# Altium PCB PCBA.PcbDoc (part 2 of 2)
Units mil, origin at the board's own origin, x right, y up, seen from the top; angles counter-clockwise.
Board outline 3402.68 x 3500 mil, 4 copper layers (Top Layer, Mid Layer 1, Mid Layer 2, Bottom Layer), stack 77.559 mil thick; 213 components, 129 nets, 610 pads, 352 vias.
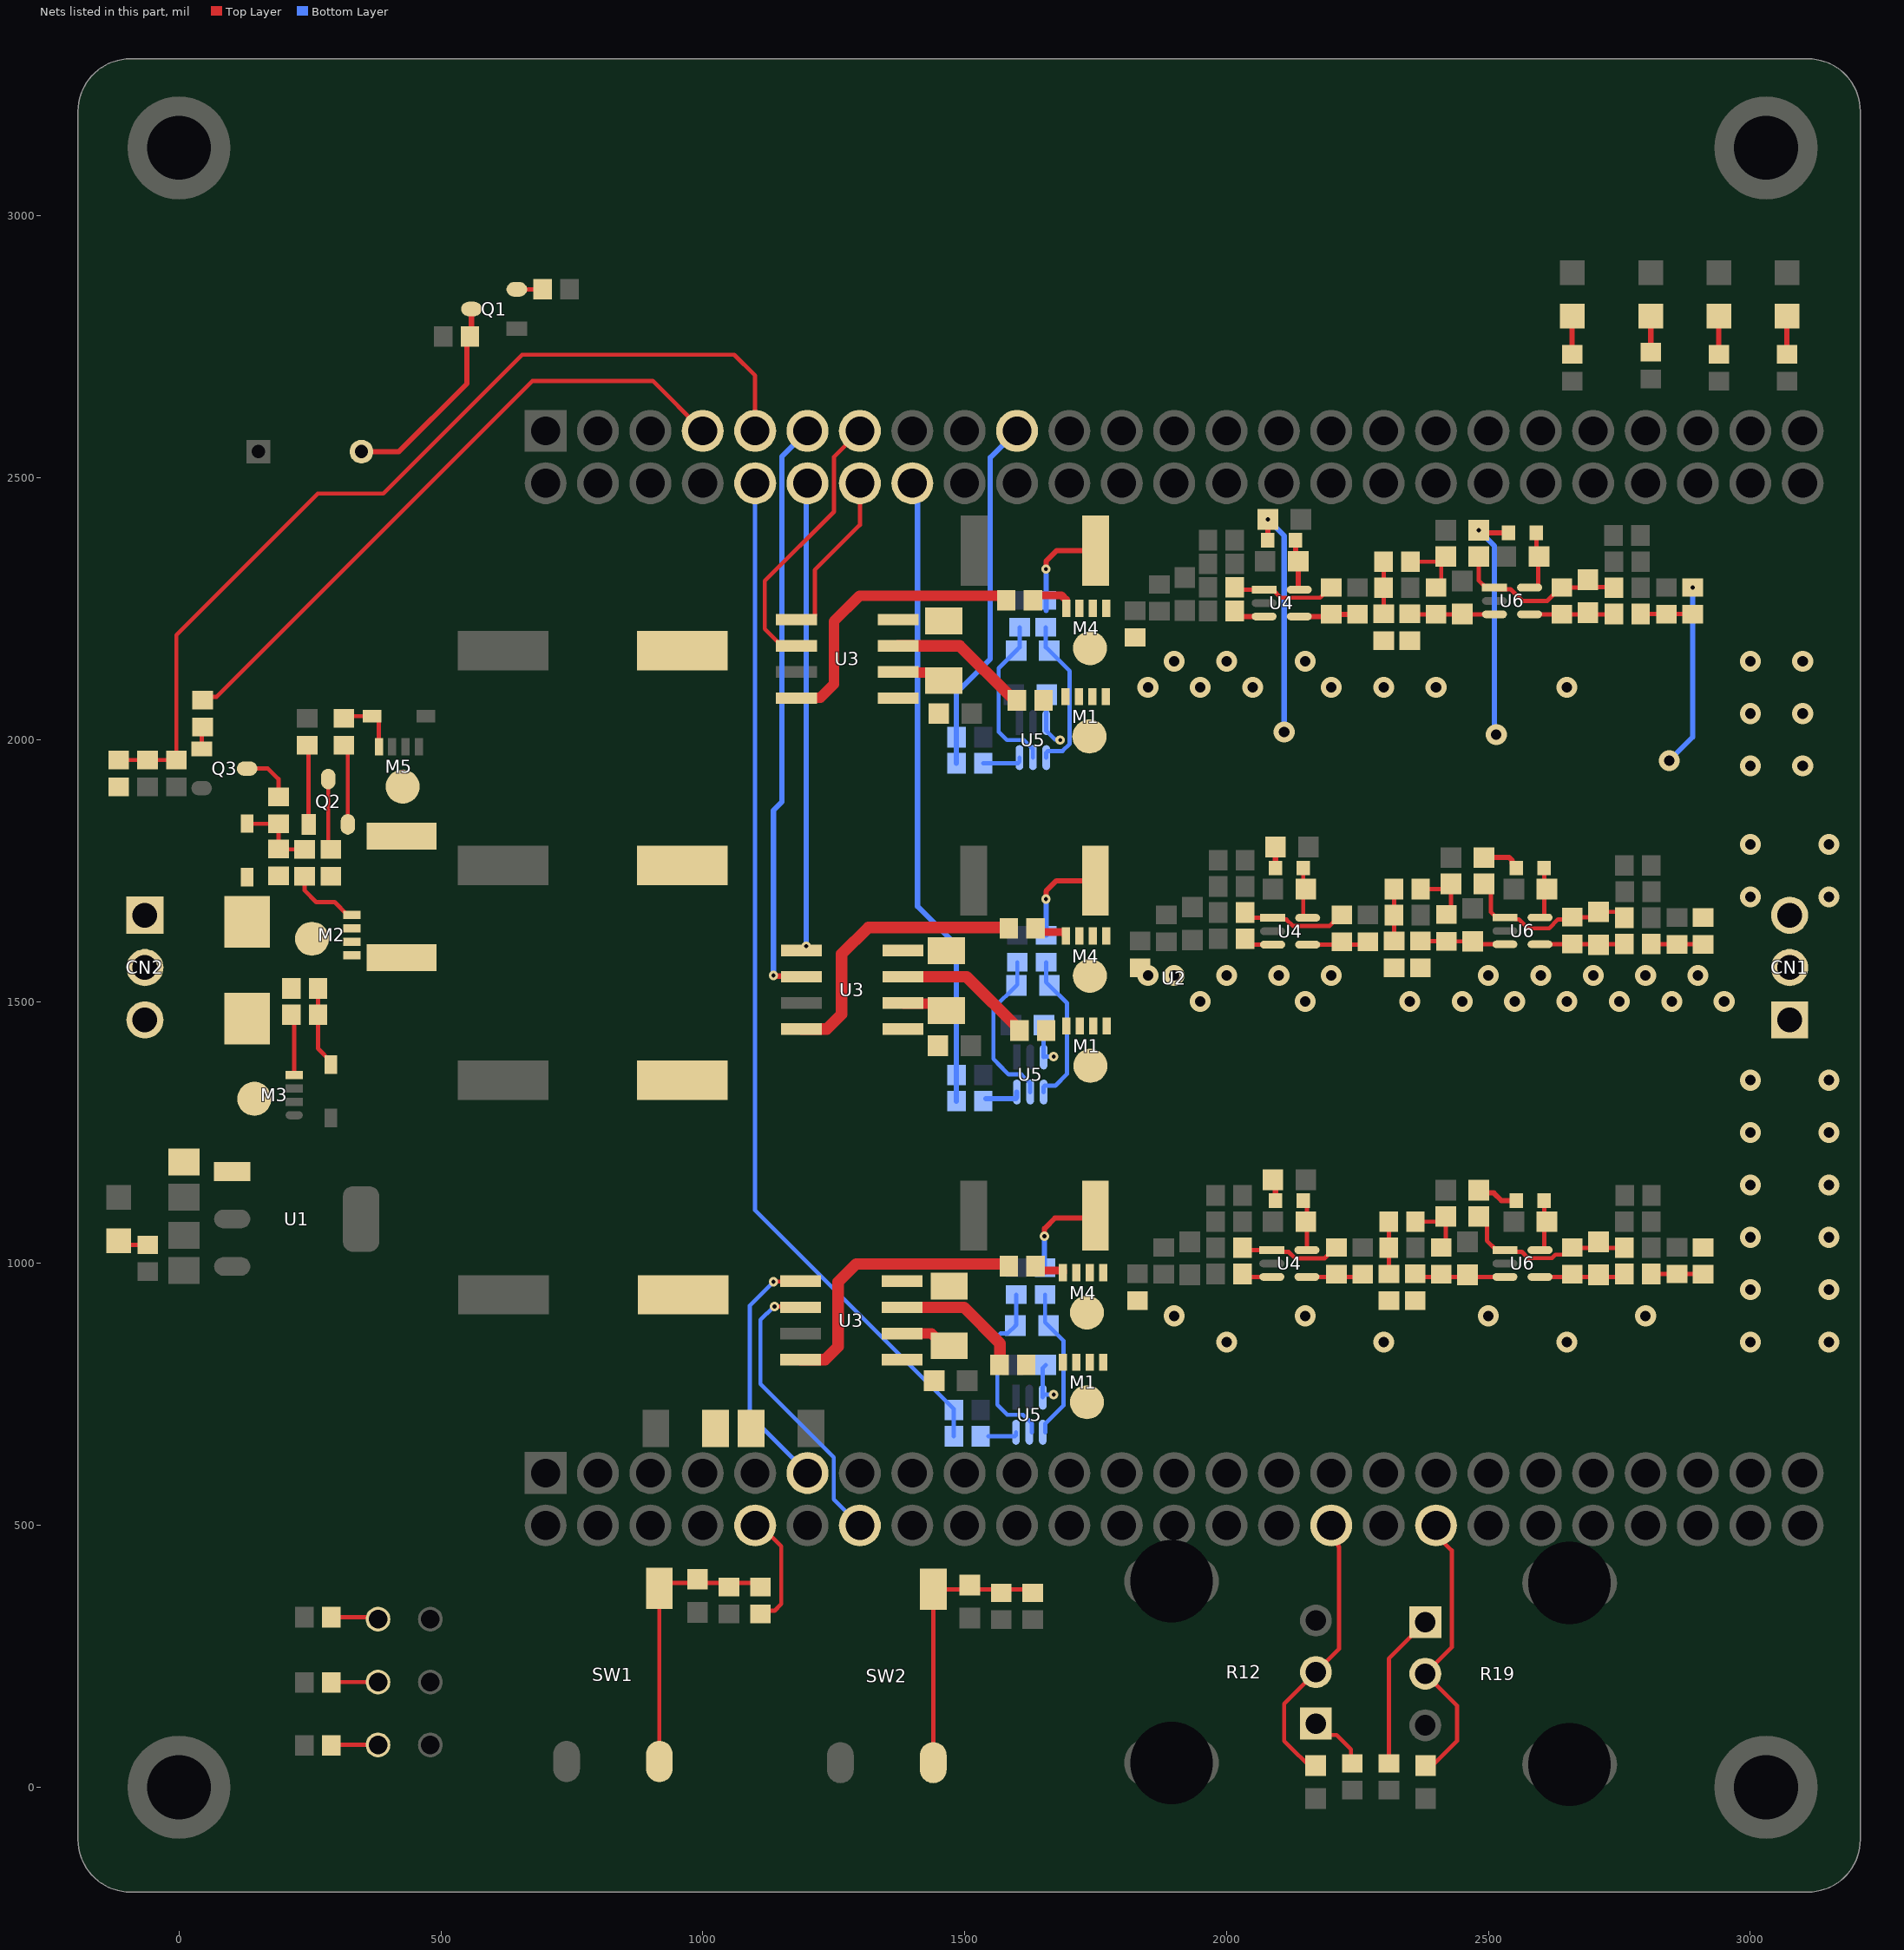
[diagram p4: the nets of this part, all layers, seen from the top]

## Via types
v1: diameter 40, hole 20, Top Layer to Bottom Layer, tented both sides, 248 vias
v2: diameter 18, hole 8, Top Layer to Bottom Layer, tented both sides, 104 vias

## Nets (pads, with @x,y where several pads share a name; then routed paths per layer and width w, separated by ;. In a path a pad name is that pad's centre, name@x,y a point inside that pad or via, vN(x,y) a via of type N, cw(c..) or ccw(c..) an arc to the next point about the centre after c; other vN are vias at no path point) (continued)
Motor: C1.1 C3.1 C4.1 C5.1 C6.1 C11.2 C12.2 C15.2 C17.1 C23.1 FB1.1 FB2.1 M1.5 M2.1 M2.2 M2.3 R3.2 R21.2 R63.1 U3.1 U5.3 | length 1776.3
  Top Layer w10: FB2.1@2078.67,2380.87 v2(2078.67,2420.79) C23.1@2078.75,2420.87 ; C23.1@2088.5,1160 2093.43,1155.08 FB2.1@2093.43,1120 ; FB2.1@2093.43,1755 2093.43,1794.92 C23.1@2093.5,1795 ; C1.1@2481.5,1140 2486.82,1134.68 2510.32,1134.68 2525,1120 FB1.1@2553.43,1120 ; v2(2481.5,2400) 2486.5,2395 FB1.1@2538.43,2395 ; C1.1@2491.5,1775 2539.77,1775 2545.63,1769.14 2545.63,1762.8 FB1.1@2553.43,1755
  Bottom Layer w8: U5.3@1649.11,744.83 U5.3@1649.11,747.85 ; C17.1@1651.5,1455 1650.84,1454.34 U5.3@1650.84,1394.37 1651.47,1395 v2(1670,1395) ; C17.1@1655.01,806.33 1649.11,800.43 U5.3@1649.11,747.85 ; C17.1@1656.74,2085.87 1655.84,2084.97 U5.3@1655.84,2032.87 1655.84,2017.01 1671.94,2000.9 1680.88,2000.9 v2(1682.41,1999.37) ; v2(1670,750) 1651.26,750 U5.3@1649.11,747.85
  Bottom Layer w10: v2(2078.67,2420.79) 2110,2389.47 v1(2110,2015) ; v2(2481.5,2400) 2511.5,2370 2511.5,2013.5 v1(2515,2010) ; v1(2845,1960) 2890,2005 v2(2890,2290.59)
Motor-En: R27.2 U2.7 | length 1246.9
  Top Layer w8: R27.2@45,2075.59 51.41,2082 72,2082 675,2685 904.69,2685 U2.7@1000,2589.69
NetC7_1: C7.1 R6.1 R9.2 SW1.1 SW1.2 | length 543.1
  Top Layer w8: SW1.2@917.17,49.29 SW1.1@917.17,380 927.17,390 982.91,390 C7.1@990,397.09 997.09,390 1042.32,390 R9.2@1050,382.32 1057.68,390 1102.32,390 R6.1@1110,382.32
NetC9_1: C9.1 R16.1 R18.2 SW2.1 SW2.2 | length 523.5
  Top Layer w8: SW2.2@1440,47.17 SW2.1@1440,377.87 1623.31,377.87 R16.1@1630,371.18
NetC16_Inverter-A_1: C16.1@1470.31,842.91 U3.2@1380.52,866.33 | length 99.5
  Top Layer w20: U3.2@1380.52,866.33 1437.05,866.33 1460.47,842.91 C16.1@1470.31,842.91
NetC16_Inverter-B_1: C16.1@1465.31,1482.91 U3.2@1382.29,1497.5 | length 91.1
  Top Layer w20: U3.2@1382.29,1497.5 1383.29,1496.5 1436.88,1496.5 1455.47,1477.91 C16.1@1465.31,1477.91
NetC16_Inverter-C_1: C16.1@1460.31,2112.91 U3.2@1372.89,2129.38 | length 94.2
  Top Layer w20: U3.2@1372.89,2129.38 1373.89,2128.38 1444.85,2128.38 C16.1@1460.31,2112.91
NetC19_Inverter-A_1: C19.1@1597.02,881.33 R48.1@1598.52,940.74 U5.5@1623.52,677.83 | length 331
  Bottom Layer w8: R48.1@1598.52,940.74 1598.52,882.83 C19.1@1597.02,881.33 1582.34,866.65 1568.83,866.65 1562.33,860.14 1562.33,730.2 1581.19,711.33 1611.52,711.33 1628.52,694.33 U5.5@1628.52,677.83
NetC19_Inverter-A_2: C19.2@1660.01,881.33 R42.1@1653.52,940.74 U5.4@1649.11,677.83 | length 292.1
  Bottom Layer w8: R42.1@1653.52,940.74 1653.52,887.83 C19.2@1660.01,881.33 1689,852.35 1689,729.22 1654.11,694.33 U5.4@1654.11,677.83
NetC19_Inverter-B_1: C19.1@1598.75,1530.87 R48.1@1600.56,1575.28 U5.5@1625.25,1327.37 | length 310
  Bottom Layer w8: R48.1@1600.56,1575.28 1600.56,1532.68 C19.1@1598.75,1530.87 1555,1487.12 1555,1390.72 1562.31,1383.41 1562.31,1382.69 1584.13,1360.87 1608.25,1360.87 1625.25,1343.87 U5.5@1625.25,1327.37
NetC19_Inverter-B_2: C19.2@1661.74,1530.87 R42.1@1655.56,1575.28 U5.4@1650.84,1327.37 | length 294.9
  Bottom Layer w8: U5.4@1650.84,1327.37 1650.84,1337.45 1652.99,1339.6 1673.16,1339.6 1695.62,1362.05 1695.62,1496.99 C19.2@1661.74,1530.87 1655.56,1537.05 R42.1@1655.56,1575.28
NetC19_Inverter-C_1: C19.1@1598.5,2170 R48.1@1605,2214.88 U5.5@1630.25,1965.87 | length 311.7
  Bottom Layer w8: R48.1@1605,2214.88 1605,2176.5 C19.1@1598.5,2170 1565,2136.5 1565,2015 1580.63,1999.37 1613.25,1999.37 1630.25,1982.37 U5.5@1630.25,1965.87
NetC19_Inverter-C_2: C19.2@1661.5,2170 R42.1@1655,2214.88 U5.4@1655.84,1965.87 | length 302.7
  Bottom Layer w8: R42.1@1655,2214.88 1655,2176.5 1700.41,2131.08 1700.41,1991.92 1686.87,1978.37 1658.91,1978.37 1655.84,1975.3 U5.4@1655.84,1965.87
NetC20_Inverter-A_1: C20.1@2418.5,1090 R55.2@2360.59,1080 R56.1@2410,1030.59 | length 125
  Top Layer w8: R55.2@2360.59,1080 2408.5,1080 C20.1@2418.5,1090 2418.5,1039.09 R56.1@2410,1030.59
NetC20_Inverter-A_2: C20.2@2481.5,1090 C22.2@2710,1041.5 R57.2@2759.41,1030 R62.2@2660,1030.59 U6.1@2531.5,1025.59 | length 337.7
  Top Layer w8: C20.2@2481.5,1090 2497.18,1074.31 2497.18,1043.41 2515,1025.59 U6.1@2531.5,1025.59 2534.82,1022.27 2563.65,1022.27 2575.65,1010.27 2621.35,1010.27 2627.96,1016.87 2646.28,1016.87 R62.2@2660,1030.59 2660.59,1030 R57.2@2759.41,1030
NetC20_Inverter-B_1: C20.1@2428.5,1725 R55.2@2370.59,1715 R56.1@2420,1666.18 | length 124.4
  Top Layer w8: R55.2@2370.59,1715 2428.5,1715 2428.5,1674.69 R56.1@2420,1666.18 ; C20.1@2418.5,1715 C20.1@2428.5,1725
NetC20_Inverter-B_2: C20.2@2491.5,1725 C22.2@2710,1671.5 R57.2@2759.41,1660 R62.2@2660,1661.18 U6.1@2531.5,1660.59 | length 344.9
  Top Layer w8: C20.2@2491.5,1725 2505,1711.5 2505,1670.59 2515,1660.59 2548,1660.59 2551.32,1657.27 2558.19,1657.27 2575.46,1640 2616.08,1640 2633,1656.92 2655.74,1656.92 R62.2@2660,1661.18 2699.68,1661.18 C22.2@2710,1671.5 2747.91,1671.5 R57.2@2759.41,1660
NetC20_Inverter-C_1: C20.1@2418.5,2350 R55.2@2351.18,2340 R56.1@2400,2290.59 | length 124.4
  Top Layer w8: R55.2@2351.18,2340 C20.1@2408.5,2340 ; R56.1@2400,2290.59 2410,2300.59 2410,2341.5 C20.1@2418.5,2350
NetC20_Inverter-C_2: C20.2@2481.5,2350 C22.2@2690,2305.35 R57.2@2739.41,2290 R62.2@2640,2290.59 U6.1@2511.5,2290.59 | length 343.1
  Top Layer w8: C20.2@2481.5,2350 2481.5,2304.09 2495,2290.59 U6.1@2511.5,2290.59 2514.82,2287.27 2542.42,2287.27 2564.69,2265 2612.44,2265 2638.03,2290.59 2675.24,2290.59 C22.2@2690,2305.35 2703.72,2291.64 2737.77,2291.64 R57.2@2739.41,2290
NetC21_Inverter-A_2: C21.2@2460,978.5 R53.2@2360,980.59 R56.2@2410,979.41 U6.3@2531.5,974.41 | length 174.1
  Top Layer w8: R53.2@2360,980.59 2366.18,974.41 U6.3@2531.5,974.41
NetC21_Inverter-B_2: C21.2@2470,1615 R53.2@2370,1615.59 R56.2@2420,1615 U6.3@2531.5,1609.41 | length 163.8
  Top Layer w8: R53.2@2370,1615.59 R56.2@2420,1615.59 ; R56.2@2420,1615 C21.2@2470,1615 2475.59,1609.41 U6.3@2531.5,1609.41
NetC21_Inverter-C_2: C21.2@2450,2240 R53.2@2350,2240.59 R56.2@2400,2239.41 U6.3@2511.5,2239.41 | length 162
  Top Layer w8: R53.2@2350,2240.59 2351.18,2239.41 R56.2@2400,2239.41 2450,2239.41 U6.3@2511.5,2239.41
NetC22_Inverter-A_1: C22.1@2710,978.5 R62.1@2660,979.41 R64.2@2759.41,980 U6.4@2598.5,974.41 | length 163.2
  Top Layer w8: U6.4@2598.5,974.41 2753.82,974.41 R64.2@2759.41,980
NetC22_Inverter-B_1: C22.1@2710,1608.5 R62.1@2660,1610 R64.2@2759.41,1610 U6.4@2598.5,1609.41 | length 161.2
  Top Layer w8: U6.4@2598.5,1609.41 2758.82,1609.41 R64.2@2759.41,1610
NetC22_Inverter-C_1: C22.1@2690,2242.36 R62.1@2640,2239.41 R64.2@2739.41,2240 U6.4@2578.5,2239.41 | length 161.2
  Top Layer w8: U6.4@2578.5,2239.41 2738.82,2239.41 R64.2@2739.41,2240
NetCN2_3: CN2.3 D6.1 M3.5
NetD1_A: D1.A R22.1 R23.2 R24.2 | length 164.5
  Top Layer w8: D1.A@130,1850 130,1847.22 137.81,1839.41 R24.2@190,1839.41 R22.1@190,1791.18 190.59,1790.59 R23.2@240,1790.59
NetD2_2: D2.2 R5.1 | length 73.1
  Top Layer w10: R5.1@2940,2735.59 D2.2@2940,2808.66
NetD3_2: D3.2 R7.1 | length 68.7
  Top Layer w10: R7.1@2810,2740 D3.2@2810,2808.66
NetD4_2: D4.2 R10.1 | length 73.1
  Top Layer w10: R10.1@2660,2735.59 D4.2@2660,2808.66
NetD5_2: D5.2 R11.1 | length 73.1
  Top Layer w10: R11.1@3070,2735.59 D5.2@3070,2808.66
NetD7_K: D7.K R1.1 R2.2 | length 140.1
  Top Layer w8: R1.1@265.59,1510 265.59,1450 265.59,1410.32 290,1385.91 D7.K@290,1380
NetD8_K: D8.K M5.4 R26.1 | length 122.1
  Top Layer w8: R26.1@315,2040.59 319.41,2045 D8.K@368.82,2045 373.8,2045 381.61,2037.19 M5.4@381.61,1986.73
NetD9_2: D9.2 R30.1 | length 70.1
  Top Layer w8: D9.2@-120,1059.16 -96.43,1035.59 R30.1@-59.68,1035.59
NetJP3_1: JP3.1 R14.2 | length 89.8
  Top Layer w8: R14.2@291.61,81.02 JP3.1@380,81.02
  Top Layer w10: R14.2@290.59,80 R14.2@291.61,81.02
NetJP4_1: JP4.1 R15.2 | length 89.8
  Top Layer w8: R15.2@290.59,200 291.61,201.02 JP4.1@380,201.02
NetJP5_1: JP5.1 R17.2 | length 91.1
  Top Layer w8: R17.2@290.59,325 376.02,325 JP5.1@380,321.02
NetM1_Inverter-A_4: M1.4@1687.93,811.33 R34.2@1617.61,806.33
NetM1_Inverter-B_4: M1.4@1694.38,1453.55 R34.2@1655.59,1445
NetM1_Inverter-C_4: M1.4@1692.66,2082.34 R34.2@1650.59,2075
NetM2_4: M2.4 R23.1 | length 141.7
  Top Layer w8: R23.1@240,1744.41 240,1711.9 261.9,1690 297.13,1690 321.54,1665.59 M2.4@330,1665.59
NetM3_4: M3.4 R2.1 | length 110.4
  Top Layer w8: R2.1@214.41,1465.59 218.72,1465.59 220,1464.31 M3.4@220,1360
NetM4_Inverter-A_1,2,3: M4.1@1764.68,982.43 M4.2@1739.08,982.43 M4.3@1713.49,982.43 R42.2@1653.52,991.92 R46.2@1749.66,1091.33 | length 179.5
  Top Layer w10: v2(1652.52,1051.86) 1652.52,1066.86 1672.52,1086.86 R46.2@1739.8,1086.86
  Bottom Layer w10: R42.2@1652.52,982.92 v2(1652.52,1051.86)
NetM4_Inverter-A_4: M4.4@1687.9,982.43 R38.2@1635.59,995 | length 58.1
  Top Layer w15: R38.2@1633.52,986.33 1687.53,986.33 1687.9,985.96 M4.4@1687.9,982.43
NetM4_Inverter-B_1,2,3: M4.1@1770.13,1625.32 M4.2@1744.54,1625.32 M4.3@1718.95,1625.32 R42.2@1655.56,1626.46 R46.2@1749.66,1730.87 | length 179.5
  Top Layer w10: v2(1655.25,1695.87) 1655.25,1710.87 1675.25,1730.87 R46.2@1742.53,1730.87
  Bottom Layer w10: R42.2@1655.25,1626.93 v2(1655.25,1695.87)
NetM4_Inverter-B_4: M4.4@1693.36,1625.32 R38.2@1635.59,1640 | length 69.4
  Top Layer w15: R38.2@1630.88,1632.5 1692.99,1632.5 1693.36,1632.13 M4.4@1693.36,1625.32
NetM4_Inverter-C_1,2,3: M4.1@1770.52,2250.87 M4.2@1744.93,2250.87 M4.3@1719.34,2250.87 R42.2@1655,2266.06 R46.2@1750.25,2360.87 | length 179.5
  Top Layer w10: v2(1655.25,2325.87) 1655.25,2340.87 1675.25,2360.87 R46.2@1742.53,2360.87
  Bottom Layer w10: 1655.25,2246.93 1655.25,2315.87
NetM4_Inverter-C_4: M4.4@1693.75,2250.87 R38.2@1630.59,2266.06 | length 82.6
  Top Layer w15: R38.2@1630.84,2275.91 1684.59,2275.91 1693.38,2267.12 1693.38,2251.25 M4.4@1693.75,2250.87
NetM5_5: M5.5 R21.1
NetQ1_2: Q1.2 R8.2 | length 49.5
  Top Layer w8: Q1.2@645,2859.8 694.21,2859.8 R8.2@694.41,2860
NetQ1_3: Q1.3 R4.2 SP1.2 | length 401.3
  Top Layer w10: SP1.2@348.43,2550 420,2550 550,2680 550,2764.41 R4.2@555.59,2770 558.39,2772.8 Q1.3@558.39,2822.4
NetQ2_1: Q2.1 R25.1 | length 152.1
  Top Layer w8: R25.1@245,1989.41 247.6,1986.81 Q2.1@247.6,1838.39
NetQ2_2: Q2.2 R26.2 | length 154.1
  Top Layer w8: R26.2@315,1989.41 322.4,1982.01 Q2.2@322.4,1838.39
NetQ2_3: Q2.3 R3.1 | length 131.5
  Top Layer w8: Q2.3@285,1925 285,1800.59 R3.1@290,1795.59
NetQ3_1: Q3.1 R27.1 | length 42.7
  Top Layer w8: Q3.1@43.39,1982.4 43.39,2022.8 R27.1@45,2024.41
NetQ3_3: Q3.3 R24.1 | length 102.7
  Top Layer w8: Q3.3@130,1945 170,1945 190,1925 R24.1@190,1890.59
NetR12_1: R12.1 R13.2 | length 115.2
  Top Layer w8: R12.1@2170.59,121.57 2192.41,99.76 2210.24,99.76 2237.55,72.45 2237.55,48.04 R13.2@2240,45.59
NetR19_1: R19.1 R20.2 | length 298.4
  Top Layer w8: R20.2@2310,45.59 2310,245.79 R19.1@2379.41,315.2
NetR34_Inverter-A_1: R34.1@1566.43,806.33 U3.3@1380.52,916.33 | length 257.1
  Top Layer w22: U3.3@1380.52,916.33 1498.67,916.33 1567.49,847.51 1567.49,815.02 1566.43,813.96 R34.1@1566.43,806.33
NetR34_Inverter-B_1: R34.1@1604.41,1445 U3.3@1382.29,1547.5 | length 265.7
  Top Layer w22: U3.3@1382.29,1547.5 1503.88,1547.5 1604.41,1446.97 R34.1@1604.41,1445
NetR34_Inverter-C_1: R34.1@1599.41,2075 U3.3@1372.89,2179.38 | length 270.9
  Top Layer w22: U3.3@1372.89,2179.38 1490.62,2179.38 1586.32,2083.69 1592.69,2083.69 1599.41,2076.97 R34.1@1599.41,2075
NetR38_Inverter-A_1: R38.1@1584.41,995 U3.8@1186.52,816.33 | length 543.8
  Top Layer w22: U3.8@1186.52,816.33 1233.52,816.33 1258.52,841.33 1258.52,964.83 1292.73,999.04 R38.1@1582.34,999.04
NetR38_Inverter-B_1: R38.1@1584.41,1640 U3.8@1188.29,1447.5 | length 539.2
  Top Layer w22: U3.8@1188.29,1447.5 1236.88,1447.5 1265.25,1475.87 1265.25,1590.87 1316.1,1641.72 R38.1@1579.66,1641.72
NetR38_Inverter-C_1: R38.1@1579.41,2266.06 U3.8@1178.89,2079.38 | length 556.7
  Top Layer w20: U3.8@1178.89,2079.38 1179.89,2080.38 1224.75,2080.38 1250.25,2105.87 1250.25,2225.87 1299.38,2275 R38.1@1584.3,2275
NetR39_Inverter-A_2: R39.2@2030.59,980 U4.3@2086.5,974.41 | length 53.2
  Top Layer w8: R39.2@2030.59,980 2036.18,974.41 U4.3@2081.5,974.41
NetR39_Inverter-B_2: R39.2@2035.59,1620 U4.3@2088,1608.82 | length 57
  Top Layer w8: R39.2@2035.59,1620 2046.77,1608.82 U4.3@2088,1608.82
NetR39_Inverter-C_2: R39.2@2015.84,2245.87 U4.3@2071.75,2235.28 | length 60.3
  Top Layer w10: R39.2@2015.84,2245.87 2026.43,2235.28 U4.3@2071.75,2235.28
NetR41_Inverter-A_2: R41.2@2030.59,1030 R47.2@2210,1030.59 U4.1@2086.5,1025.59 | length 196.2
  Top Layer w8: R41.2@2030.59,1030 2035,1025.59 U4.1@2086.5,1025.59 2089.82,1022.27 2118.65,1022.27 2130.92,1010 2187.44,1010 2208.03,1030.59 R47.2@2210,1030.59
NetR41_Inverter-B_2: R41.2@2035.59,1670 R47.2@2220,1665.59 U4.1@2088,1660 | length 203.6
  Top Layer w8: R41.2@2035.59,1670 2045.59,1660 2104.5,1660 2107.82,1656.67 2114.45,1656.67 2126.45,1644.67 2197.12,1644.67 2218.03,1665.59 R47.2@2220,1665.59
NetR41_Inverter-C_2: R41.2@2015.84,2290.87 R47.2@2200,2290.59 U4.1@2071.75,2286.46 | length 200.4
  Top Layer w8: R41.2@2015.84,2290.87 2020.25,2286.46 U4.1@2071.75,2286.46 2088.25,2286.46 2103.57,2271.14 2178.58,2271.14 2198.03,2290.59 R47.2@2200,2290.59
NetR45_Inverter-A_1: R45.1@1530.59,670.32 U5.6@1597.93,677.83 | length 58.9
  Bottom Layer w8: R45.1@1545.59,670 1595.78,670 1597.93,672.15 U5.6@1597.93,677.83
NetR45_Inverter-B_1: R45.1@1535.59,1310 U5.6@1599.66,1327.37 | length 70.2
  Bottom Layer w10: R45.1@1540.59,1315 1597.51,1315 1599.66,1317.15 U5.6@1599.66,1327.37
NetR45_Inverter-C_1: R45.1@1535.59,1955 U5.6@1604.66,1965.87 | length 78.1
  Bottom Layer w8: R45.1@1535.59,1955 1601.58,1955 1604.66,1958.07 U5.6@1604.66,1965.87
NetR47_Inverter-A_1: R47.1@2210,979.41 R50.2@2260,979.41 U4.4@2153.5,974.41 | length 108.6
  Top Layer w8: U4.4@2153.5,974.41 2255,974.41 R50.2@2260,979.41
NetR47_Inverter-B_1: R47.1@2220,1614.41 R50.2@2270,1614.41 U4.4@2155,1608.82 | length 117.3
  Top Layer w8: U4.4@2155,1608.82 2264.41,1608.82 R50.2@2270,1614.41
NetR47_Inverter-C_1: R47.1@2200,2239.41 R50.2@2250,2239.41 U4.4@2138.75,2235.28 | length 113
  Top Layer w10: U4.4@2138.75,2235.28 2195.87,2235.28 R47.1@2200,2239.41 R50.2@2250,2239.41
NetR54_Inverter-A_2: R54.2@2310,980 R55.1@2309.41,1080 R59.2@2309.41,1030 | length 100.2
  Top Layer w8: R55.1@2309.41,1080 2310,1079.41 R54.2@2310,980
NetR54_Inverter-B_2: R54.2@2320,1615.59 R55.1@2319.41,1715 R59.2@2319.41,1665 | length 99.7
  Top Layer w8: R55.1@2319.41,1715 2320,1714.41 R54.2@2320,1615.59
NetR54_Inverter-C_2: R54.2@2300,2240.59 R55.1@2300,2340 R59.2@2299.41,2290 | length 99.4
  Top Layer w8: R54.2@2300,2240.59 R55.1@2300,2340
NetR63_Inverter-A_2: R63.2@2910,979.41 R64.1@2810.59,980 R65.1@2860,980 | length 99.7
  Top Layer w8: R64.1@2810.59,980 R65.1@2860,980 2909.41,980 R63.2@2910,979.41
NetR63_Inverter-B_2: R63.2@2910,1609.41 R64.1@2810.59,1610 R65.1@2860,1609.41 | length 99.7
  Top Layer w8: R64.1@2810.59,1610 2811.18,1609.41 R63.2@2910,1609.41
NetR63_Inverter-C_2: R63.2@2890,2239.41 R64.1@2790.59,2240 R65.1@2840,2239.41 | length 99.7
  Top Layer w8: R64.1@2790.59,2240 2889.41,2240 R63.2@2890,2239.41
Phase-Current-A: R45.2@1479.41,670.32 R49.2@1479.41,720.31 U2.10 | length 1976.5
  Bottom Layer w8: U2.10@1100,2489.68 1100,1101.69 1479.41,722.28 R49.2@1479.41,720.31 R45.2@1479.41,670.32
Phase-Current-B: R45.2@1484.41,1310 R49.2@1484.41,1360 U2.16 | length 1214.6
  Bottom Layer w10: U2.16@1400,2489.68 1410,2479.68 1410,1682.05 1484.41,1607.64 R49.2@1484.41,1360 R45.2@1484.41,1310
Phase-Current-C: R45.2@1484.41,1955 R49.2@1484.41,2005 U2.19 | length 682.6
  Bottom Layer w10: R45.2@1484.41,1955 R49.2@1484.41,2005 1484.41,2089.41 1549,2154 1549,2538.68 U2.19@1600,2589.68
Phase-Voltage_Inverter-A: C16.2@1470.31,957.09 CN1.1 M1.1@1764.7,811.33 M1.2@1739.11,811.33 M1.3@1713.52,811.33 M4.5@1733.52,906.33 R35.1@1830,929.41 R53.1@2360,929.41 R54.1@2310,928.82 U3.4@1380.52,966.33
  other v1: 2000,850 2300,850 2650,850 3000,850 3150,850 1900,900 2150,900 2500,900 2800,900 3000,950 3150,950 3000,1050 3150,1050 3000,1150 3150,1150 3000,1250 3150,1250 3000,1350 3150,1350
Phase-Voltage_Inverter-B: C16.2@1465.31,1597.09 CN1.2 M1.1@1771.15,1453.55 M1.2@1745.56,1453.55 M1.3@1719.97,1453.55 M4.5@1738.98,1549.22 R35.1@1835,1564.41 R53.1@2370,1564.41 R54.1@2320,1564.41 U3.4@1382.29,1597.5
  other v1: 1950,1500 2150,1500 2350,1500 2450,1500 2550,1500 2650,1500 2750,1500 2850,1500 2950,1500 1850,1550 1900,1550 2000,1550 2100,1550 2200,1550 2500,1550 2600,1550 2700,1550 2800,1550 2900,1550
Phase-Voltage_Inverter-C: C16.2@1460.31,2227.09 CN1.3 M1.1@1769.43,2082.34 M1.2@1743.84,2082.34 M1.3@1718.25,2082.34 M4.5@1739.37,2174.77 R35.1@1825.25,2195.28 R53.1@2350,2189.41 R54.1@2300,2189.41 U3.4@1372.89,2229.38
  other v1: 3000,1700 3150,1700 3000,1800 3150,1800 3000,1950 3100,1950 3000,2050 3100,2050 1850,2100 1950,2100 2050,2100 2200,2100 2300,2100 2400,2100 2650,2100 1900,2150 2000,2150 2150,2150 3000,2150 3100,2150
PWM-High-A: U2.61 U3.5@1186.52,966.33 | length 481.3
  Top Layer w8: v2(1135,965) 1135.67,965.67 1185.85,965.67 U3.5@1186.52,966.33
  Bottom Layer w8: v2(1135,965) 1090,920 1090,710 U2.61@1200,600
PWM-High-B: U2.12 U3.5@1188.29,1597.5 | length 897.6
  Top Layer w10: U3.5@1188.29,1597.5 1189.29,1597.5 v2(1197.78,1606)
  Bottom Layer w10: v2(1197.78,1606) 1197.78,2487.47 U2.12@1200,2489.68
PWM-High-C: U2.14 U3.5@1178.89,2229.38 | length 326.9
  Top Layer w8: U3.5@1178.89,2229.38 1206.89,2229.38 1213.89,2236.38 1213.89,2323.89 1300,2410 U2.14@1300,2489.68
PWM-Low-A: U2.64 U3.6@1186.52,916.33 | length 559
  Top Layer w8: v2(1136.83,918.17) 1184.68,918.17 U3.6@1186.52,916.33
  Bottom Layer w8: v2(1136.83,918.17) 1123.67,905 1122.71,905 1110,892.29 1110,770 1250,630 1250,550 U2.64@1300,500
PWM-Low-B: U2.11 U3.6@1188.29,1547.5 | length 1120.9
  Top Layer w10: v2(1135,1550) 1136.25,1548.75 1187.04,1548.75 U3.6@1188.29,1547.5
  Bottom Layer w10: v2(1135,1550) 1135,1865 1151,1881 1151,2540.69 U2.11@1200,2589.68
PWM-Low-C: U2.13 U3.6@1178.89,2179.38 | length 526.9
  Top Layer w8: U3.6@1178.89,2179.38 1150.89,2179.38 1118.44,2211.82 1118.44,2303.44 1250.61,2435.61 1250.61,2540.3 U2.13@1300,2589.68
Speed-Knob: C8.1 R12.2 U2.82 | length 543.9
  Top Layer w8: C8.1@2168.5,30 2110,88.5 2110,159.41 R12.2@2170.59,220 2215,264.41 2215,459.14 2213.39,460.75 2213.39,486.61 U2.82@2200,500
Start: R6.2 U2.60 | length 224.4
  Top Layer w8: U2.60@1100,500 1110.08,500 1150,460.08 1150,350.08 1137,337.08 1115.94,337.08 R6.2@1110,331.14
Torque-Knob: C10.1 R19.2 U2.86 | length 552.7
  Top Layer w8: C10.1@2381.5,30 2440,88.5 2440,156.18 R19.2@2379.41,216.77 2430,267.36 2430,452.22 2400,482.22 U2.86@2400,500
U4-Motor-Filter_Inverter-A: C24.1@2151.5,1080 FB2.2@2146.57,1120 U4.5@2153.5,1025.59 | length 97.3
  Top Layer w8: FB2.2@2146.57,1120 2153.5,1113.07 U4.5@2153.5,1025.59
U4-Motor-Filter_Inverter-B: C24.1@2151.5,1715 FB2.2@2146.57,1755 U4.5@2155,1660 | length 101.6
  Top Layer w8: FB2.2@2146.57,1755 2146.57,1715 2146.57,1663.07 2149.65,1660 U4.5@2155,1660
U4-Motor-Filter_Inverter-C: C24.1@2136.74,2340.87 FB2.2@2131.82,2380.87 U4.5@2138.75,2286.46 | length 101
  Top Layer w10: U4.5@2131.78,2288.61 2133.93,2286.46 2134.6,2286.46 2136.74,2288.61 C24.1@2136.74,2340.87 2131.82,2345.79 FB2.2@2131.82,2380.87
U6-Motor-Filter_Inverter-A: C2.1@2611.5,1080 FB1.2@2606.57,1120 U6.5@2598.5,1025.59 | length 100.7
  Top Layer w8: U6.5@2598.5,1025.59 2603.5,1025.59 2606.57,1028.66 FB1.2@2606.57,1120
U6-Motor-Filter_Inverter-B: C2.1@2611.5,1715 FB1.2@2606.57,1755 U6.5@2598.5,1660.59 | length 100.7
  Top Layer w8: U6.5@2598.5,1660.59 2603.5,1660.59 2606.57,1663.66 FB1.2@2606.57,1755
U6-Motor-Filter_Inverter-C: C2.1@2596.5,2350 FB1.2@2591.57,2395 U6.5@2578.5,2290.59 | length 121.8
  Top Layer w8: U6.5@2578.5,2290.59 2591.93,2290.59 2595,2293.66 2595,2348.5 C2.1@2596.5,2350 2591.57,2354.92 FB1.2@2591.57,2395
VBUS: C13.2 CN2.1 CN2.2 D1.K D6.2 M2.5 R1.2 R22.2 R31.2 U1.1
VBUS-FB: R31.1 R32.2 R33.2 U2.9 | length 1797.3
  Top Layer w8: R31.1@-115,1961.18 R33.2@-60,1961.18 R32.2@-5,1961.18 -5,2200 265,2470 390,2470 655,2735 1060,2735 1100,2695 U2.9@1100,2589.69
pads on no net: MH1.1 MH2.1 MH3.1 MH4.1 U2.3 U2.4 U2.6 U2.15 U2.17 U2.20 U2.24 U2.25 U2.26 U2.28 U2.29 U2.30 U2.31 U2.32 U2.33 U2.34 U2.35 U2.36 U2.37 U2.38 U2.39 U2.40 U2.41 U2.42 U2.44 U2.48 U2.55 U2.56 U2.57 U2.58 U2.59 U2.65 U2.67 U2.69 U2.70 U2.71 U2.72 U2.73 U2.74 U2.75 U2.76 U2.77 U2.78 U2.79 U2.80 U2.81 U2.83 U2.84 U2.85 U2.87 U2.88 U2.89 U2.90 U2.91 U2.92 U2.93 U2.94 U2.95 U2.96 U2.97 U2.98

## Polygon pours and split planes (outlines as drawn)
Phase-Voltage_Inverter-A on Top Layer "Top Layer-Phase-Voltage_Inverter-A" (solid, pour order 110): 1340,950 1363.86,929.88 1515,930 1582.37,862.63 1610.48,862.63 1633.11,840 1705.62,840 1705.62,794.01 3210,794.01 3210,1505 3035,1505 2955,1425 2955,975 2935,955 1685,955 1673.67,966.33 1563.67,966.33 1545,985 1340,985
Motor on Top Layer "Top Layer-Motor" (solid, pour order 107): 2070,1140 2110,1140 2110,1180 2120,1190 2430,1190 2460,1160 2460,1120 2500,1120 2500,1145 2510,1155 2850,1155 2890,1115 2890,1010 2930,1010 2930,1413.59 1633.59,1413.59 1605.74,1385.74 1479.26,1385.74 1470,1395 1470,1435 1425,1435 1422.18,1437.82 1422.18,1460 1340,1460 1340,1423.38 1339.37,1424 1121,1424 1121,1635 1280,1635 1310,1665 1415,1665 1435,1685 1435,1810 2070,1810 2073.81,1806.19 2073.81,1778.48 2113.39,1778.48 2113.39,1808.39 2125,1820 2440,1820 2470.94,1789.06 2470.94,1755 2510.49,1755 2510.49,1795 2825,1795 2885,1735 2885,1640 2940,1640 2940,1935 2829.23,2045.77 1635.77,2045.77 1610,2020 1479.25,2020 1474.57,2024.68 1475,2025.12 1475,2065 1465,2075 1430,2075 1415,2090 1335,2090 1335,2060 1120,2060 1120,2155 1065,2210 810,2210 720,2120 720,1720 710,1710 520,1710 470,1760 270,1760 270,1700 335,1700 355,1680 355,1650 313.71,1650 313.71,1400 745,1400 755,1390 755,895 915,735 964.74,735 983.25,716.5 983.25,645 1120,645 1120,735 1250,735 1340,645 1750,645 1784.77,679.77 1785.34,780 1640,780 1609.84,749.84 1470.16,749.84 1465,755 1465,800 1430,800 1420,810 1420,830 1275,830 1235,790 1120,790 1120,1020 1415,1020 1435,1040 1435,1180 2070,1180
5V on Top Layer "Top Layer-5V" (solid, remove dead copper, pour order 28): -190,-111.72 ccw(c-121.73,-111.72) -170,-160 -158.28,-171.72 ccw(c-90,-103.43) -90,-200 3108.58,-200 ccw(c3108.58,-100.01) 3179.29,-170.71 3185,-165 ccw(c3124.67,-104.67) 3210,-104.64 3210,450 865,450 840,475 840,640 810,670 465,670 125,1010 -138.6,1010 -155.17,1029.28 -155.68,2180 -190,2180
NetM1_Inverter-A_4 on Top Layer "NONET_L-01_P-001" (solid, pour order 108): 1599.77,825.96 1601.28,827.48 1697.36,827.48 1697.36,795 1643.63,795 1635.57,786.94 1600.02,786.94
GND on Top Layer "NONET_L-01_P-001" (solid, pour order 102): 705,2210 705,1725 535,1725 530,1730 530,1955 514.61,1970.39 401.3,1970.39 401.3,2003.07 400,2004.37 400,2165 445,2210
GND on Top Layer "NONET_L-01_P-001" (solid, pour order 90): 245,1345 305,1345 350,1390 745,1390 745,890 910,725 935,725 935,655 940,650 865,650 830,685 475,685 135,1025 -25,1025 -25,1075 -65,1075 -90,1100 -140,1100 -140,1150 140,1150 145,1155 145,1246.42 168.58,1270 185,1270 185,1345
VBUS on Top Layer "Top Layer-VBUS" (solid, pour order 89): 290.04,1582.91 290.04,1671.5 238.5,1671.5 210,1700 210,1760 35,1760 -90,1885 -90,1930 -155,1930 -155,1240 -70,1155 -20,1155 135,1155 135,1260 130,1265 -65,1265 -110,1310 -110,1520 -100,1530 155,1530 180,1530 195,1515 195,1500 235,1500 235,1545 240,1550 257.13,1550
NetCN2_3 on Top Layer "NONET_L-01_P-001" (solid, pour order 83): 180.04,1520 180.04,1275 -60,1275 -100,1315 -100,1520
NetM1_Inverter-B_4 on Top Layer "NONET_L-01_P-001" (solid, pour order 74): 1702.11,1470 1636.72,1470 1636.72,1423.74 1686.81,1423.74 1702.01,1437.63
Phase-Voltage_Inverter-B on Top Layer "Top Layer-Phase-Voltage_Inverter-B" (solid, pour order 77): 1343.06,1587.62 1358.06,1567.62 1508.06,1567.62 1576.68,1499 1694.34,1499 1711.61,1477.17 1711.61,1436.95 2946.95,1436.95 3030,1520 3100,1520 3125,1545 3125,1585 3102.38,1607.62 2967.62,1607.62 2945,1585 1563.56,1585 1525.94,1622.62 1358.06,1622.62 1343.06,1607.62
NetM1_Inverter-C_4 on Top Layer "NONET_L-01_P-001" (solid, pour order 70): 1703.16,2097.33 1633.41,2097.33 1633.41,2056.59 1640,2050 1695.84,2050 1703.16,2057.32
Phase-Voltage_Inverter-C on Top Layer "NONET_L-01_P-001" (solid, pour order 69): 1335,2240 1350,2255 1521.21,2255 1559.75,2216.46 3210,2216.46 3210,1665 3165,1620 2970,1620 2955,1635 2955,1940 2830.35,2064.65 1713.42,2064.65 1711.56,2064.65 1711.56,2099.43 1686.27,2131.38 1568.62,2131.38 1500,2200 1350,2200 1335,2220
NetM4_Inverter-C_1,2,3 on Top Layer "NONET_L-01_P-001" (solid, pour order 50): 1720.13,2430 1720.13,2278.02 1707.62,2265.51 1707.62,2229.71 1779.85,2229.71 1779.85,2430
GND on Top Layer "NONET_L-01_P-001" (solid, pour order 53): 1546.74,2291.57 1446.74,2291.57 1446.74,2431.57 1546.74,2431.57
GND on Top Layer "NONET_L-01_P-001" (solid, pour order 3): 1548.52,1016.33 1448.52,1016.33 1448.52,1161.33 1548.52,1161.33
NetM4_Inverter-A_1,2,3 on Top Layer "NONET_L-01_P-001" (solid, pour order 51): 1717.79,1158.23 1717.79,1015.61 1705.28,1003.1 1705.28,965.68 1777.51,965.68 1777.51,1158.23
GND on Top Layer "NONET_L-01_P-001" (solid, pour order 46): 1545.25,1660.87 1445.25,1660.87 1445.25,1800.87 1545.25,1800.87
NetM4_Inverter-B_1,2,3 on Top Layer "NONET_L-01_P-001" (solid, pour order 47): 1721.04,1797.95 1721.04,1661.66 1707.02,1647.65 1707.02,1608.32 1780.76,1608.32 1780.76,1797.95
NetM5_5 on Top Layer "NONET_L-01_P-001" (solid, pour order 19): 375.71,1946.77 355,1926.06 355,1790 490,1790 490,1921.06 464.29,1946.77
GND on Mid Layer 1 "GND_L02_P121" (solid, pour order 121): 3110,-200 ccw(c3110,-100) 3210,-100 3210,3200 ccw(c3110,3200) 3110,3300 -92.68,3300 ccw(c-92.68,3200) -192.68,3200 -192.68,-100 ccw(c-92.68,-100) -92.68,-200 150,-200
Phase-Voltage_Inverter-A on Mid Layer 1 "Top Layer-Phase-Voltage_Inverter-A" (solid, pour order 119): 1340,950 1363.86,929.88 1515,930 1582.37,862.63 1610.48,862.63 1633.11,840 1705.62,840 1705.62,794.01 3210,794.01 3210,1505 3035,1505 2955,1425 2955,975 2935,955 1685,955 1673.67,966.33 1563.67,966.33 1545,985 1340,985
Phase-Voltage_Inverter-B on Mid Layer 1 "Top Layer-Phase-Voltage_Inverter-B" (solid, pour order 117): 1342.14,1586.91 1357.14,1566.91 1507.14,1566.91 1575.76,1498.29 1693.41,1498.29 1710.69,1476.46 1710.69,1436.24 2946.02,1436.24 3029.08,1519.29 3099.08,1519.29 3124.08,1544.29 3124.08,1584.29 3101.46,1606.91 2966.69,1606.91 2944.08,1584.29 1562.63,1584.29 1525.02,1621.91 1357.14,1621.91 1342.14,1606.91
Phase-Voltage_Inverter-C on Mid Layer 1 "NONET_L-01_P-001" (solid, pour order 115): 1335,2240 1350,2255 1521.21,2255 1559.75,2216.46 3210,2216.46 3210,1665 3165,1620 2970,1620 2955,1635 2955,1940 2830.35,2064.65 1713.42,2064.65 1711.56,2064.65 1711.56,2099.43 1686.27,2131.38 1568.62,2131.38 1500,2200 1350,2200 1335,2220
GND on Mid Layer 2 "GND_L03_P124" (solid, pour order 124): 3110,-200 ccw(c3110,-100) 3210,-100 3210,3200 ccw(c3110,3200) 3110,3300 -92.68,3300 ccw(c-92.68,3200) -192.68,3200 -192.68,-100 ccw(c-92.68,-100) -92.68,-200 150,-200
Phase-Voltage_Inverter-A on Mid Layer 2 "Top Layer-Phase-Voltage_Inverter-A" (solid, pour order 120): 1340.72,948.77 1364.58,928.66 1515.72,928.77 1583.09,861.4 1611.2,861.4 1633.83,838.77 1706.34,838.77 1706.34,792.78 3210.72,792.78 3210.72,1503.77 3035.72,1503.77 2955.72,1423.77 2955.72,973.77 2935.72,953.77 1685.72,953.77 1674.39,965.11 1564.39,965.11 1545.72,983.77 1340.72,983.77
Phase-Voltage_Inverter-B on Mid Layer 2 "Top Layer-Phase-Voltage_Inverter-B" (solid, pour order 118): 1343.06,1587.62 1358.06,1567.62 1508.06,1567.62 1576.68,1499 1694.34,1499 1711.61,1477.17 1711.61,1436.95 2946.95,1436.95 3030,1520 3100,1520 3125,1545 3125,1585 3102.38,1607.62 2967.62,1607.62 2945,1585 1563.56,1585 1525.94,1622.62 1358.06,1622.62 1343.06,1607.62
Phase-Voltage_Inverter-C on Mid Layer 2 "NONET_L-01_P-001" (solid, pour order 116): 1335,2240 1350,2255 1521.21,2255 1559.75,2216.46 3210,2216.46 3210,1665 3165,1620 2970,1620 2955,1635 2955,1940 2830.35,2064.65 1713.42,2064.65 1711.56,2064.65 1711.56,2099.43 1686.27,2131.38 1568.62,2131.38 1500,2200 1350,2200 1335,2220
GND on Bottom Layer "GND_L04_P125" (solid, pour order 125): 3110,-200 ccw(c3110,-100) 3210,-100 3210,3200 ccw(c3110,3200) 3110,3300 -92.68,3300 ccw(c-92.68,3200) -192.68,3200 -192.68,-100 ccw(c-92.68,-100) -92.68,-200 150,-200

## Keep-outs
Keep-Out Layer:
  circle w10: c1605.25,2325.87 r18.03
  circle w10: c1599.65,1052.23 r18.03
  circle w10: c1600.25,1695.87 r18.03

## Silkscreen, mask and mechanical layers (free items; w line width, h text height)
Top Overlay:
  text "Hermes - Electronic Speed Controller" at 200,3164.93 h90
  text "Aman Nijjar, Evan Maier, and Avary Newell" at 195,3074.99 h60
  text "Revision: 0.1 (DEMO)" at 195,2965 h60
  text "V=Error" at 2145,2955 h60
  text "U" at 2640,2925 h60
  text "V" at 2790,2925 h60
  text "W" at 2920,2925 h60
  text "Z" at 3050,2925 h60
  text "U=SysPwr" at 2145,2854.99 h60
  text "W=Start" at 2145,2765 h60
  text "Z=Brake" at 2145,2675 h60
  text "Bus-Voltage" at -130,2206.66 h50
  text "Phase U" at 2515,1835 h95
  text "Input" at -180,1824.99 h60
  text "Out" at 3000,1740 h60
  text "Vcc" at -150,1735 h60
  text "-" at -35.01,1400 h60 r90
  text "---" at -145,1365.01 h60
  text "--" at -115,1345.01 h60
  text "-" at -85,1325.01 h60
  text "Phase V" at 2527.5,1207.5 h95
  text "Phase W" at 2526.36,709.36 h95
  text "Control-Jumper" at -155,424.99 h60
  text "Speed" at 1755,-65.01 h60
  text "Torque" at 2475,-65.01 h60
  text "Start/Stop" at 555,-85.01 h60
  text "Brake" at 1215,-85 h60
  text "Control" at 1705,-165 h60
  text "Control" at 2465,-165 h60
Mechanical 1:
  lines w20: -190,-105.15 ccw(c-105.86,-105.15) -165.36,-164.64 ccw(c-80,-79.29) -80,-200 28.66,-200 3110,-200 ccw(c3110,-100) 3180.71,-170.71 ccw(c3110,-100) 3210,-100 3210,3200 ccw(c3110,3200) 3180.71,3270.71 ccw(c3110,3200) 3110,3300 -92.68,3300 ccw(c-92.68,3200) -163.39,3270.71 ccw(c-99.15,3206.47) -190,3206.47 -190,-105.15

## Text inside footprints (layer, text, board x,y; h text height)
U3: Top 3D Body "*" at 1403.02,799.33 h50 r180; Top Overlay "*" at 1403.02,799.33 h50 r180
U3: Top 3D Body "*" at 1395.39,2062.38 h50 r180
U3: Top 3D Body "*" at 1404.79,1430.5 h50 r180; Top Overlay "*" at 1404.79,1430.5 h50 r180